# Altium PCB rys_PCB.PcbDoc
Units mil, origin at the board's own origin, x right, y up, seen from the top; angles counter-clockwise.
Board outline 6000 x 4000 mil, 2 copper layers (Top Layer, Bottom Layer); 49 components, 51 nets, 288 pads, 39 vias.
Unrouted connection lines stored in the file: 126.
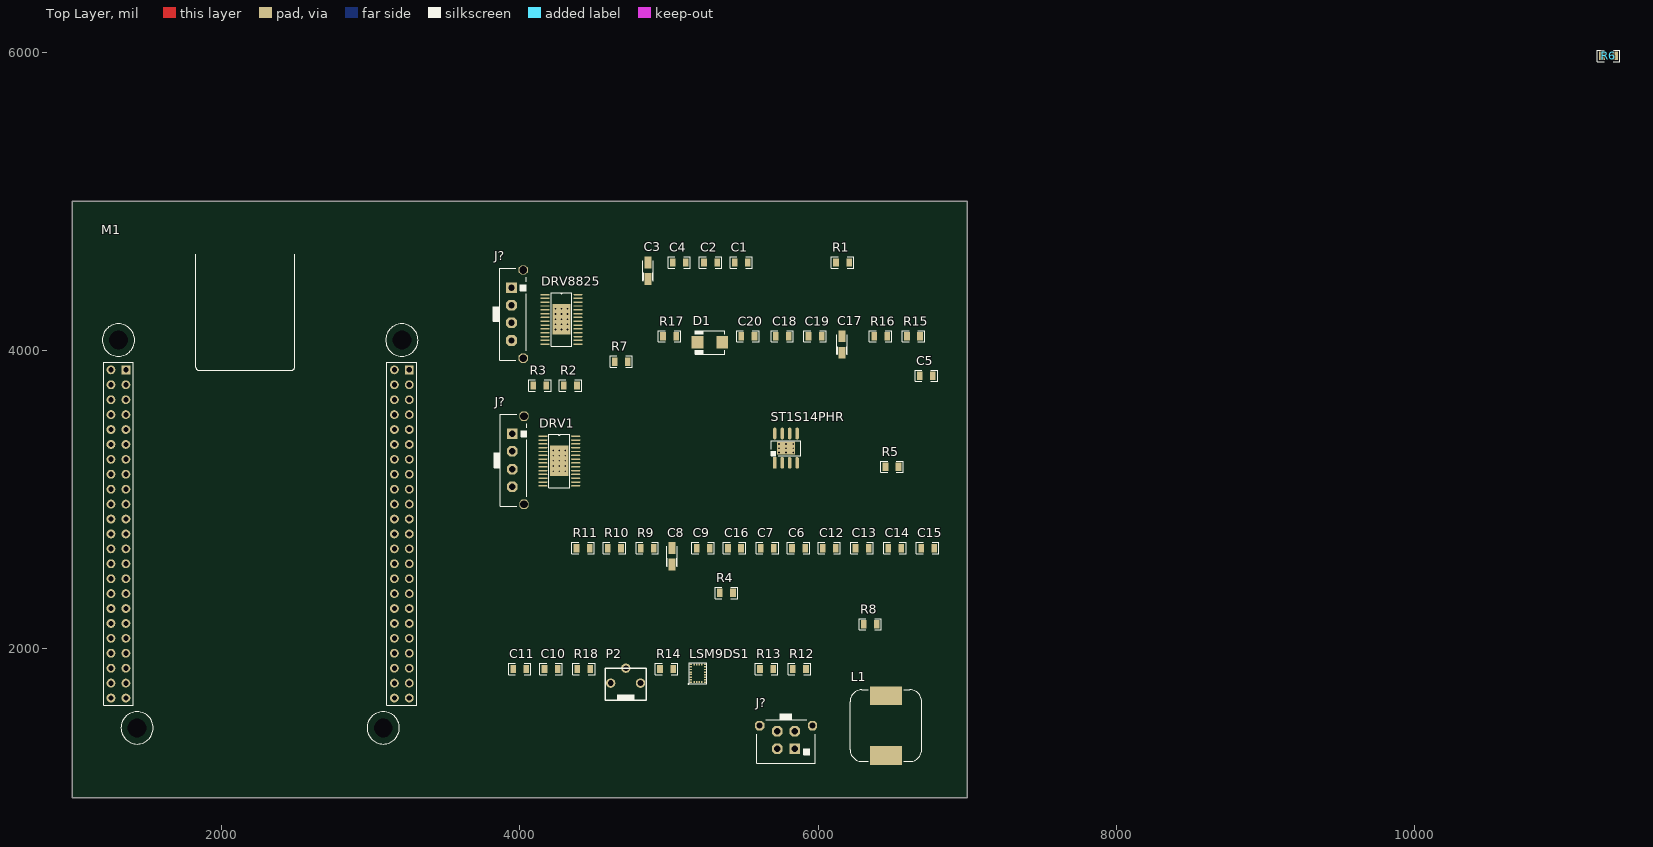
[diagram p0: Top Layer view]
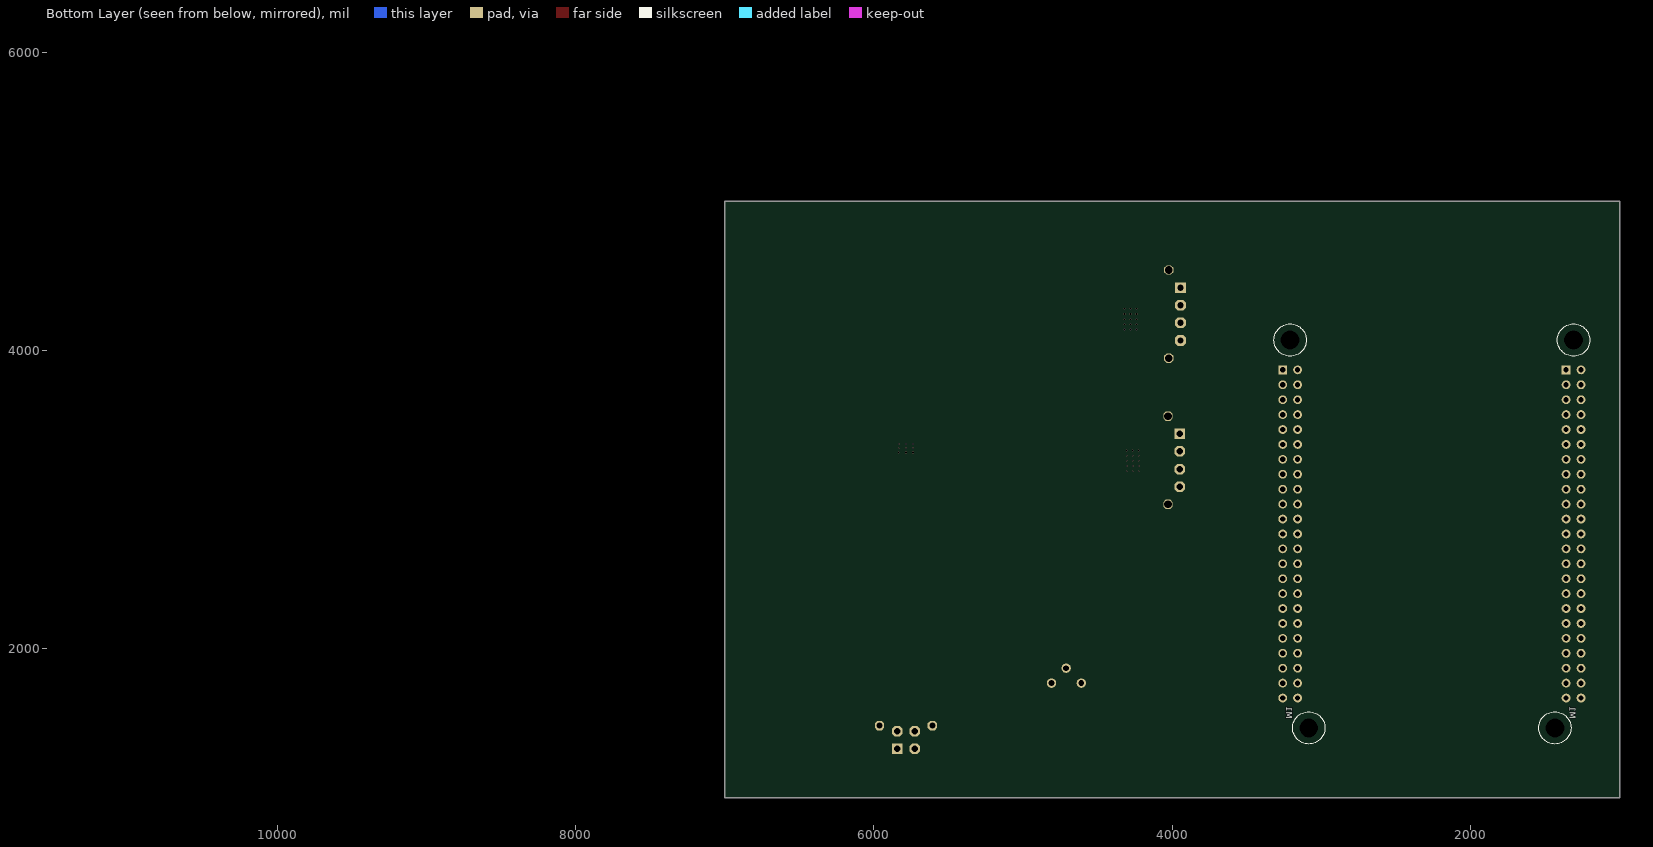
[diagram p1: Bottom Layer view, seen from below]

## Layer stack, top to bottom
Top Solder: solder mask 0.4, Solder Resist, Dk 3.5
Top Layer: signal copper 1.4
Dielectric 1: dielectric 12.6, FR-4, Dk 4.8
Bottom Layer: signal copper 1.4
Bottom Solder: solder mask 0.4, Solder Resist, Dk 3.5

## Board outline
1000,1000 7000,1000 7000,5000 1000,5000

## Design rules (kind name [scope] priority, off if disabled: settings)
Clearance [All] p1: gap=10 ignorepadtopadclearanceinfootprint=FALSE except(0: Arc-Hole Track-Hole SMDPad-Hole THPad-Hole Via-Hole Fill-Hole Poly-Hole Region-Hole Text-Hole)
PolygonConnect [All] p1: connectstyle=Relief reliefconductorwidth=10 reliefentries=4 polygonreliefangle="90 Angle" airgapwidth=10
RoutingVias [All] p1: holewidth=28 width=50 viastyle="Through Hole" minholewidth=28 minwidth=50 maxholewidth=28 maxwidth=50
SolderMaskExpansion [All] p1: expansion=4
Width [All] p1: maxlimit=10 minlimit=10 preferedwidth=10
30 further rules are at their usual default settings.

## Components (designator, comment, footprint, x,y, rotation, side; value= is the part's Value field where it differs from the comment)
C1 "10n" 0805 5485,4590 r0 top
C2 "10n" 0805 5280,4590 r0 top
C3 "100u" _C_TAN_A 4860,4535 r90 top
C4 "10n" 0805 5070,4590 r0 top
C5 "10n" 0805 6726,3830 r0 top
C6 "10n" 0805 5870,2675 r0 top
C7 "10n" 0805 5660,2675 r0 top
C8 "100u" _C_TAN_A 5020,2620 r90 top
C9 "10n" 0805 5230,2675 r0 top
C10 "10n" 0805 4210,1865 r0 top
C11 "100n" 0805 4000,1865 r0 top
C12 "10n" 0805 6075,2675 r0 top
C13 "100n" 0805 6295,2675 r0 top
C14 "100n" 0805 6515,2675 r0 top
C15 "10n" 0805 6735,2675 r0 top
C16 "100n" 0805 5440,2675 r0 top
C17 "100u" _C_TAN_A 6160,4040 r90 top
C18 "10u" 0805 5760,4095 r0 top
C19 "100n" 0805 5980,4095 r0 top
C20 "100n" 0805 5530,4095 r0 top
D1 "to stps3l0u" SMB/DO-214AA 5275,4055 r0 top
DRV1 "Stepper driver" HTSSOP28 4155,3425 r0 top
DRV8825 "Stepper driver" HTSSOP28 4170,4375 r0 top
J? "Molex Microfit" "MICROFIT 4x1 Vertical" 4048.43,3283.74 r90 top
J? "Molex Microfit" "MICROFIT 4x1 Vertical" 4043.43,4263.74 r90 top
J? "Molex Microfit" "MICROFIT 2x2 Vertical" 5785.94,1448.11 r0 top
L1 "220uH 800mA" _L_DE1205 6455,1485 r0 top
LSM9DS1 "3D imu" LGA24 5135,1905 r90 top
M1 "BeagleBone Green Wireless" BeagleBone_Black 3335,4645 r90 top
P2 "20k" _R_POTRM6H 4810,1870 r0 top
R1 "10k" 0805_R 6165,4590 r0 top
R2 "0.1R" 0805_R 4340,3765 r0 top
R3 "0.1R" 0805_R 4135,3765 r0 top
R4 "10k" 0805_R 5386,2375 r0 top
R5 "0R" 0805_R 6496,3220 r0 top
R6 "10k" 0805_R 11300,5975 r0 top
R7 "10k" 0805_R 4681,3925 r0 top
R8 "10k" 0805_R 6350,2165 r0 top
R9 "0.1R" 0805_R 4855,2675 r0 top
R10 "0.1R" 0805_R 4635,2675 r0 top
R11 "10k" 0805_R 4425,2675 r0 top
R12 "0R" 0805_R 5875,1865 r0 top
R13 "10k" 0805_R 5655,1865 r0 top
R14 "10k" 0805_R 4985,1865 r0 top
R15 "47k" 0805_R 6640,4095 r0 top
R16 "4k7" 0805_R 6420,4095 r0 top
R17 "2k7" 0805_R 5005,4095 r0 top
R18 "10k" 0805_R 4430,1865 r0 top
ST1S14PHR "ST1S14PHR" HSOP8 5785,3345 r90 top

## Footprints (in the part's own frame and the unit in brackets; to place one, negate y for a bottom-side part, rotate by r counter-clockwise, add the part's x,y. Pads: shape width x height; smd on the part's side, far side on the other; paste and mask are expansions set on the pad)
0805 [mil]
  rect 38x56 smd: 1(-44,0) 2(44,0)
  silkscreen extent -75,-38 75,38, body extent -39,-25 39,25, height 39
0805_R [mil]
  rect 38x56 smd: 1(-44,0) 2(44,0)
  silkscreen extent -75,-38 75,38, body extent -39,-25 39,25, height 24
_C_TAN_A [mm] "Capacitor, SM Tantalum; Body 3.2 x 1.6 mm (LxW typ)"
  rect 2x1.2 smd: N(1.4,0) P(-1.4,0)
  silkscreen extent -1.7,-0.9 1.7,0.9, body extent -1.7,-0.8 1.7,0.8, height 1.66
_L_DE1205 [mm] "12mm x 12mm x 6mm"
  rect 5.4x3.2 smd: 1(0,5.1) 2(0,-5.1)
  silkscreen extent -6.1,-6.1 6.1,6.1, body extent -6.1,-6.25 6.1,6.25, height 6.1
_R_POTRM6H [mm]
  round 1.6 hole 1: 1(-5.08,-2.54) 2(-2.5,0) 3(0,-2.54)
  silkscreen extent -6,-5.5 1,0
BeagleBone_Black [mm]
  round 2 hole 3.2 unplated: MH(-80.645,6.35) MH(-80.645,48.26) MH(-14.605,51.435) MH(-14.605,3.175)
  rect 1.5x1.5 hole 0.9 mask+0.051: P8_1(-19.685,50.165) P9_1(-19.685,1.905)
  round 1.5 hole 0.9 mask+0.051: P8_2(-19.685,52.705) P8_3(-22.225,50.165) P8_4(-22.225,52.705) P8_5(-24.765,50.165) P8_6(-24.765,52.705) P8_7(-27.305,50.165) P8_8(-27.305,52.705) P8_9(-29.845,50.165) P8_10(-29.845,52.705) P8_11(-32.385,50.165) P8_12(-32.385,52.705) P8_13(-34.925,50.165) P8_14(-34.925,52.705) P8_15(-37.465,50.165) P8_16(-37.465,52.705) P8_17(-40.005,50.165) P8_18(-40.005,52.705) P8_19(-42.545,50.165) P8_20(-42.545,52.705) P8_21(-45.085,50.165) P8_22(-45.085,52.705) P8_23(-47.625,50.165) P8_24(-47.625,52.705) P8_25(-50.165,50.165) P8_26(-50.165,52.705) P8_27(-52.705,50.165) P8_28(-52.705,52.705) P8_29(-55.245,50.165) P8_30(-55.245,52.705) P8_31(-57.785,50.165) P8_32(-57.785,52.705) P8_33(-60.325,50.165) P8_34(-60.325,52.705) P8_35(-62.865,50.165) P8_36(-62.865,52.705) P8_37(-65.405,50.165) P8_38(-65.405,52.705) P8_39(-67.945,50.165) P8_40(-67.945,52.705) P8_41(-70.485,50.165) P8_42(-70.485,52.705) P8_43(-73.025,50.165) P8_44(-73.025,52.705) P8_45(-75.565,50.165) P8_46(-75.565,52.705) P9_2(-19.685,4.445) P9_3(-22.225,1.905) P9_4(-22.225,4.445) P9_5(-24.765,1.905) P9_6(-24.765,4.445) P9_7(-27.305,1.905) P9_8(-27.305,4.445) P9_9(-29.845,1.905) P9_10(-29.845,4.445) P9_11(-32.385,1.905) P9_12(-32.385,4.445) P9_13(-34.925,1.905) P9_14(-34.925,4.445) P9_15(-37.465,1.905) P9_16(-37.465,4.445) P9_17(-40.005,1.905) P9_18(-40.005,4.445) P9_19(-42.545,1.905) P9_20(-42.545,4.445) P9_21(-45.085,1.905) P9_22(-45.085,4.445) P9_23(-47.625,1.905) P9_24(-47.625,4.445) P9_25(-50.165,1.905) P9_26(-50.165,4.445) P9_27(-52.705,1.905) P9_28(-52.705,4.445) P9_29(-55.245,1.905) P9_30(-55.245,4.445) P9_31(-57.785,1.905) P9_32(-57.785,4.445) P9_33(-60.325,1.905) P9_34(-60.325,4.445) P9_35(-62.865,1.905) P9_36(-62.865,4.445) P9_37(-65.405,1.905) P9_38(-65.405,4.445) P9_39(-67.945,1.905) P9_40(-67.945,4.445) P9_41(-70.485,1.905) P9_42(-70.485,4.445) P9_43(-73.025,1.905) P9_44(-73.025,4.445) P9_45(-75.565,1.905) P9_46(-75.565,4.445)
  Multi-Layer pour cut-out: -14.145,6.175 -13.173,5.982 -12.349,5.431 -11.798,4.607 -11.605,3.635 -11.605,3.635 -11.605,2.715 -11.798,1.743 -12.349,0.919 -13.173,0.368 -14.145,0.175 -14.145,0.175 -15.065,0.175 -16.037,0.368 -16.861,0.919 -17.412,1.743 -17.605,2.715 -17.605,2.715 -17.605,3.635 -17.412,4.607 -16.861,5.431 -16.037,5.982 -15.065,6.175 -15.065,6.175
  Multi-Layer pour cut-out: -80.185,9.35 -79.213,9.157 -78.389,8.606 -77.838,7.782 -77.645,6.81 -77.645,6.81 -77.645,5.89 -77.838,4.918 -78.389,4.094 -79.213,3.543 -80.185,3.35 -80.185,3.35 -81.105,3.35 -82.077,3.543 -82.901,4.094 -83.452,4.918 -83.645,5.89 -83.645,5.89 -83.645,6.81 -83.452,7.782 -82.901,8.606 -82.077,9.157 -81.105,9.35 -81.105,9.35
  Multi-Layer pour cut-out: -80.185,51.26 -79.213,51.067 -78.389,50.516 -77.838,49.692 -77.645,48.72 -77.645,48.72 -77.645,47.8 -77.838,46.828 -78.389,46.004 -79.213,45.453 -80.185,45.26 -80.185,45.26 -81.105,45.26 -82.077,45.453 -82.901,46.004 -83.452,46.828 -83.645,47.8 -83.645,47.8 -83.645,48.72 -83.452,49.692 -82.901,50.516 -82.077,51.067 -81.105,51.26 -81.105,51.26
  Multi-Layer pour cut-out: -14.145,54.435 -13.173,54.242 -12.349,53.691 -11.798,52.867 -11.605,51.895 -11.605,51.895 -11.605,50.975 -11.798,50.003 -12.349,49.179 -13.173,48.628 -14.145,48.435 -14.145,48.435 -15.065,48.435 -16.037,48.628 -16.861,49.179 -17.412,50.003 -17.605,50.975 -17.605,50.975 -17.605,51.895 -17.412,52.867 -16.861,53.691 -16.037,54.242 -15.065,54.435 -15.065,54.435
  silkscreen extent -83.39,0.43 0,54.18, body extent -87.95,0 2.5,54.66, height 8.6
HSOP8 [mm] "H pad 8-Pin Small Outline Integrated Circuit 1.27 mm Pitch, IPC Medium Density"
  rect 2x0.6 smd: 1(-2.5,1.905)
  oval 2x0.6 smd: 2(-2.5,0.635) 3(-2.5,-0.635) 4(-2.5,-1.905) 5(2.5,-1.905) 6(2.5,-0.635) 7(2.5,0.635) 8(2.5,1.905)
  rect 2.2x3.1 smd: 6(0,0)
  silkscreen extent -1.3,-2.5 1.3,2.53, body extent -3.1,-2.5 3.1,2.5, height 1.75
HTSSOP28 [mm] "Stepper driver power pad package"
  rect 1.55x0.25 smd: 1(0,0)
  oval 1.55x0.25 smd: 2(0,-0.65) 3(0,-1.3) 4(0,-1.95) 5(0,-2.6) 6(0,-3.25) 7(0,-3.9) 8(0,-4.55) 9(0,-5.2) 10(0,-5.85) 11(0,-6.5) 12(0,-7.15) 13(0,-7.8) 14(0,-8.45) 15(5.6,-8.45) 16(5.6,-7.8) 17(5.6,-7.15) 18(5.6,-6.5) 19(5.6,-5.85) 20(5.6,-5.2) 21(5.6,-4.55) 22(5.6,-3.9) 23(5.6,-3.25) 24(5.6,-2.6) 25(5.6,-1.95) 26(5.6,-1.3) 27(5.6,-0.65) 28(5.6,0)
  rect 3.1x5.18 smd: 28(2.794,-4.191)
  silkscreen extent 1.02,-8.78 4.57,0.33, body extent -0.52,-9.09 6.1,0.71, height 1.2
LGA24 [mm]
  rect 0.25x0.38 smd mask+0.05: 1(-3.25,-0.285) 6(-3.26,-2.721) 7(-2.83,-2.721) 8(-2.4,-2.721) 9(-1.97,-2.721) 10(-1.54,-2.721) 11(-1.11,-2.721) 12(-0.68,-2.721) 13(-0.25,-2.721) 18(-0.25,-0.285) 19(-0.68,-0.285) 20(-1.11,-0.285) 21(-1.54,-0.285) 22(-1.95,-0.285) 23(-2.4,-0.285) 24(-2.83,-0.285)
  rect 0.38x0.25 smd mask+0.05: 2(-3.22,-0.859) 3(-3.22,-1.289) 4(-3.22,-1.719) 5(-3.22,-2.149) 14(-0.279,-2.146) 15(-0.279,-1.716) 16(-0.279,-1.286) 17(-0.279,-0.856)
  silkscreen extent -3.59,-3 0,0.11, body extent -3.5,-3 0,0, height 0.87
"MICROFIT 2x2 Vertical" [mm] "Molex Vertical 3.00mm pitch Micro-Fit 3.0 Wire-to-Board Header 430450412"
  rect 1.8x1.8 hole 1.1: 1(1.5,-3)
  oct 1.8x1.8 hole 1.1: 2(-1.5,-3) 3(1.5,0) 4(-1.5,0)
  oct 1.6x1.6 hole 1: MH(-4.5,0.94) MH(4.5,0.94)
  silkscreen extent -5,-5.47 5,2.98, body extent -5.07,-5.47 5.08,3.3, height 9.95
"MICROFIT 4x1 Vertical" [mm] "Molex Vertical 3.00mm pitch Micro-Fit 3.0 Wire-to-Board Header 436500429"
  rect 1.8x1.8 hole 1.1: 1(4,2.5)
  oct 1.8x1.8 hole 1.1: 2(1,2.5) 3(-2,2.5) 4(-5,2.5)
  oct 1.6x1.6 hole 1.3: MH(-8,0.5) MH(7,0.5)
  silkscreen extent -8.32,0 7.32,5.58, body extent -8.32,0.1 7.32,5.7, height 9.95
SMB/DO-214AA [mm] "4.7x3.7mm max"
  rect 2x2.2 smd: A(2.1,0) K(-2.1,0)
  silkscreen extent -2.5,-2 2.5,2, body extent -2.83,-1.97 2.76,1.97, height 2.44

## Part data
C1 C2 C4 C5 C6 C7 C9 C10 C11 C12 C13 C14 C15 C16 C18 C19 C20: library part C_CER, "Ceramic Capacitor"
C3 C8 C17: library part C_TAN, "Tantalum Capacitor"
D1: library part SK210, "Schottky Diode 2A 100V", Supplier=TME, Symbol=SK210, URL=http://www.tme.eu/pl/details/sk210/diody-schottky-smd/dc-components/#
DRV1 DRV8825: library part DRV8825, Supplier=Farnell, Supplier 1=Digi-Key, URL=http://pl.farnell.com/texas-instruments/drv8825pwpr/motor-driver-stepper-htssop-28/dp/2769196?st=drv8825
J? J?: library part "Microfit 1x4", Supplier=TME, Symbol="Molex 436500429", URL=https://www.tme.eu/pl/details/mx-43650-0429/zlacza-sygnalowe-raster-300mm/molex/43650-0429/
J?: library part "Microfit 2x2", "2.5mm", Supplier=TME, Symbol="Molex 430450412"
L1: library part L_IND_DE1205, "Power Inductor 220uH 800mA", Supplier=TME, URL=http://www.tme.eu/pl/details/de1205-220/dlawiki-smd-mocy/ferrocore/#
LSM9DS1: library part LSM9DS1, "iNEMO inertial module:  3D accelerometer, 3D gyroscope, 3D magnetometer", Supplier=Farnell, URL=http://pl.farnell.com/stmicroelectronics/lsm9ds1tr/mems-accelero-gyroscope-magneto/dp/2532383?st=lsm9%20ds1
M1: library part "Green Wireless", Supplier=Botland, Symbol="BeagleBone Green Wireless"
P2: library part P_POTRM6H, "3-Terminal Potentiometer", Supplier="Maritex, Piekarz(RM-s)", Symbol=POTRM6H
R1 R2 R3 R4 R5 R6 R7 R8 R9 R10 R11 R12 R13 R14 R15 R16 R17 R18: library part R, "Resistor"
ST1S14PHR: "DC/DC converter 3A", Supplier=TME, URL=https://www.tme.eu/pl/details/st1s14phr/regulatory-napiecia-uklady-dcdc/st-microelectronics/

## Via types
v1: diameter 11.81, hole 11.81, Top Layer to Bottom Layer, 39 vias

## Nets (pads, with @x,y where several pads share a name; then routed paths per layer and width w, separated by ;. In a path a pad name is that pad's centre, name@x,y a point inside that pad or via, vN(x,y) a via of type N, cw(c..) or ccw(c..) an arc to the next point about the centre after c; other vN are vias at no path point)
3V3: C3.N C4.2 C5.1 C5.2 C8.N C9.2 C10.2 C12.1 C13.1 C13.2 C14.1 C14.2 C15.1 C15.2 C16.2 DRV1.14 DRV1.28 DRV8825.14 DRV8825.15 DRV8825.28 LSM9DS1.1 LSM9DS1.3 LSM9DS1.14 LSM9DS1.15 LSM9DS1.16 LSM9DS1.17 LSM9DS1.18 LSM9DS1.19 LSM9DS1.20 LSM9DS1.22 LSM9DS1.23 P2.1 R2.1 R3.1 R4.2 R6.2 R7.2 R9.1 R10.1 R18.2
  other v1: 4225,3190 4265,3190 4305,3190 4225,3225 4265,3225 4305,3225 4225,3260 4265,3260 4305,3260 4225,3295 4265,3295 4305,3295 4225,3330 4265,3330 4305,3330 4240,4140 4280,4140 4320,4140 4240,4175 4280,4175 4320,4175 4240,4210 4280,4210 4320,4210 4240,4245 4280,4245 4320,4245 4240,4280 4280,4280 4320,4280
3V3D: C10.1 DRV1.15 P2.3 R11.2 R13.2 R14.2
5V: C17.P C20.2 L1.1 R15.1 R16.1
CVREF: DRV1.12 DRV1.13 DRV8825.12 DRV8825.13 P2.2
DECAY: R5.1 R12.1
DEN: LSM9DS1.13
DIRL: DRV8825.20
DIRR: DRV1.20
INT1: LSM9DS1.11
INT2: LSM9DS1.12
MODE0: DRV1.24 DRV8825.24
MODE1: DRV1.25 DRV8825.25
MODE2: DRV1.26 DRV8825.26
NEBL: DRV1.21 DRV8825.21
NetC1_1: C1.1 DRV8825.1
NetC1_2: C1.2 DRV8825.2
NetC2_2: C2.2 DRV8825.3 R1.2
NetC6_1: C6.1 DRV1.1
NetC6_2: C6.2 DRV1.2
NetC7_2: C7.2 DRV1.3 R8.2
NetC11_1: C11.1 ST1S14PHR.1
NetC11_2: C11.2 D1.K L1.2 ST1S14PHR.8
NetC12_2: C12.2 LSM9DS1.21
NetC16_1: C16.1 LSM9DS1.24
NetC17_N: C17.N C18.1 C19.1 D1.A R17.1 ST1S14PHR.3 ST1S14PHR.6
  other v1: 5737.76,3315.47 5785,3315.47 5833.23,3315.47 5737.76,3345 5785,3345 5833.23,3345 5737.76,3373.54 5785,3373.54 5833.23,3373.54
NetC20_1: C20.1 R16.2 R17.2 ST1S14PHR.4
NetDRV1_5: DRV1.5 J?.1@3950,3441.22
NetDRV1_6: DRV1.6 R9.2
NetDRV1_7: DRV1.7 J?.2@3950,3323.11
NetDRV1_8: DRV1.8 J?.3@3950,3205
NetDRV1_9: DRV1.9 R10.2
NetDRV1_10: DRV1.10 J?.4@3950,3086.89
NetDRV1_19: DRV1.19 R12.2
NetDRV8825_5: DRV8825.5 J?.1@3945,4421.22
NetDRV8825_6: DRV8825.6 R2.2
NetDRV8825_7: DRV8825.7 J?.2@3945,4303.11
NetDRV8825_8: DRV8825.8 J?.3@3945,4185
NetDRV8825_9: DRV8825.9 R3.2
NetDRV8825_10: DRV8825.10 J?.4@3945,4066.89
NetDRV8825_19: DRV8825.19 R5.2
NetLSM9DS1_7: LSM9DS1.7 LSM9DS1.8 R18.1
NetR15_2: R15.2 ST1S14PHR.2
NFAULT: DRV1.18 DRV8825.18 R4.1 R11.1
nHOME: DRV1.27 DRV8825.27
NRESET: DRV1.16 DRV8825.16 R7.1 R14.1
NSLEEP: DRV1.17 DRV8825.17 R6.1 R13.1
SCL: LSM9DS1.2
SDA: LSM9DS1.4
STEPL: DRV8825.22
STEPR: DRV1.22
VMOT: C2.1 C3.P C4.1 C7.1 C8.P C9.1 C18.2 C19.2 DRV1.4 DRV1.11 DRV8825.4 DRV8825.11 J?.4@5726.89,1448.11 R1.1 R8.1 ST1S14PHR.5 ST1S14PHR.7
pads on no net: DRV1.23 DRV8825.23 J?.1@5845,1330 J?.2@5726.89,1330 J?.3@5845,1448.11 J?.MH LSM9DS1.5 LSM9DS1.6 LSM9DS1.9 LSM9DS1.10 M1.MH M1.P8_1 M1.P8_2 M1.P8_3 M1.P8_4 M1.P8_5 M1.P8_6 M1.P8_7 M1.P8_8 M1.P8_9 M1.P8_10 M1.P8_11 M1.P8_12 M1.P8_13 M1.P8_14 M1.P8_15 M1.P8_16 M1.P8_17 M1.P8_18 M1.P8_19 M1.P8_20 M1.P8_21 M1.P8_22 M1.P8_23 M1.P8_24 M1.P8_25 M1.P8_26 M1.P8_27 M1.P8_28 M1.P8_29 M1.P8_30 M1.P8_31 M1.P8_32 M1.P8_33 M1.P8_34 M1.P8_35 M1.P8_36 M1.P8_37 M1.P8_38 M1.P8_39 M1.P8_40 M1.P8_41 M1.P8_42 M1.P8_43 M1.P8_44 M1.P8_45 M1.P8_46 M1.P9_1 M1.P9_2 M1.P9_3 M1.P9_4 M1.P9_5 M1.P9_6 M1.P9_7 M1.P9_8 M1.P9_9 M1.P9_10 M1.P9_11 M1.P9_12 M1.P9_13 M1.P9_14 M1.P9_15 M1.P9_16 M1.P9_17 M1.P9_18 M1.P9_19 M1.P9_20 M1.P9_21 M1.P9_22 M1.P9_23 M1.P9_24 M1.P9_25 M1.P9_26 M1.P9_27 M1.P9_28 M1.P9_29 M1.P9_30 M1.P9_31 M1.P9_32 M1.P9_33 M1.P9_34 M1.P9_35 M1.P9_36 M1.P9_37 M1.P9_38 M1.P9_39 M1.P9_40 M1.P9_41 M1.P9_42 M1.P9_43 M1.P9_44 M1.P9_45 M1.P9_46